# Altium PCB Thunderscope-E.PCBDOC (part 2 of 4) (continued)
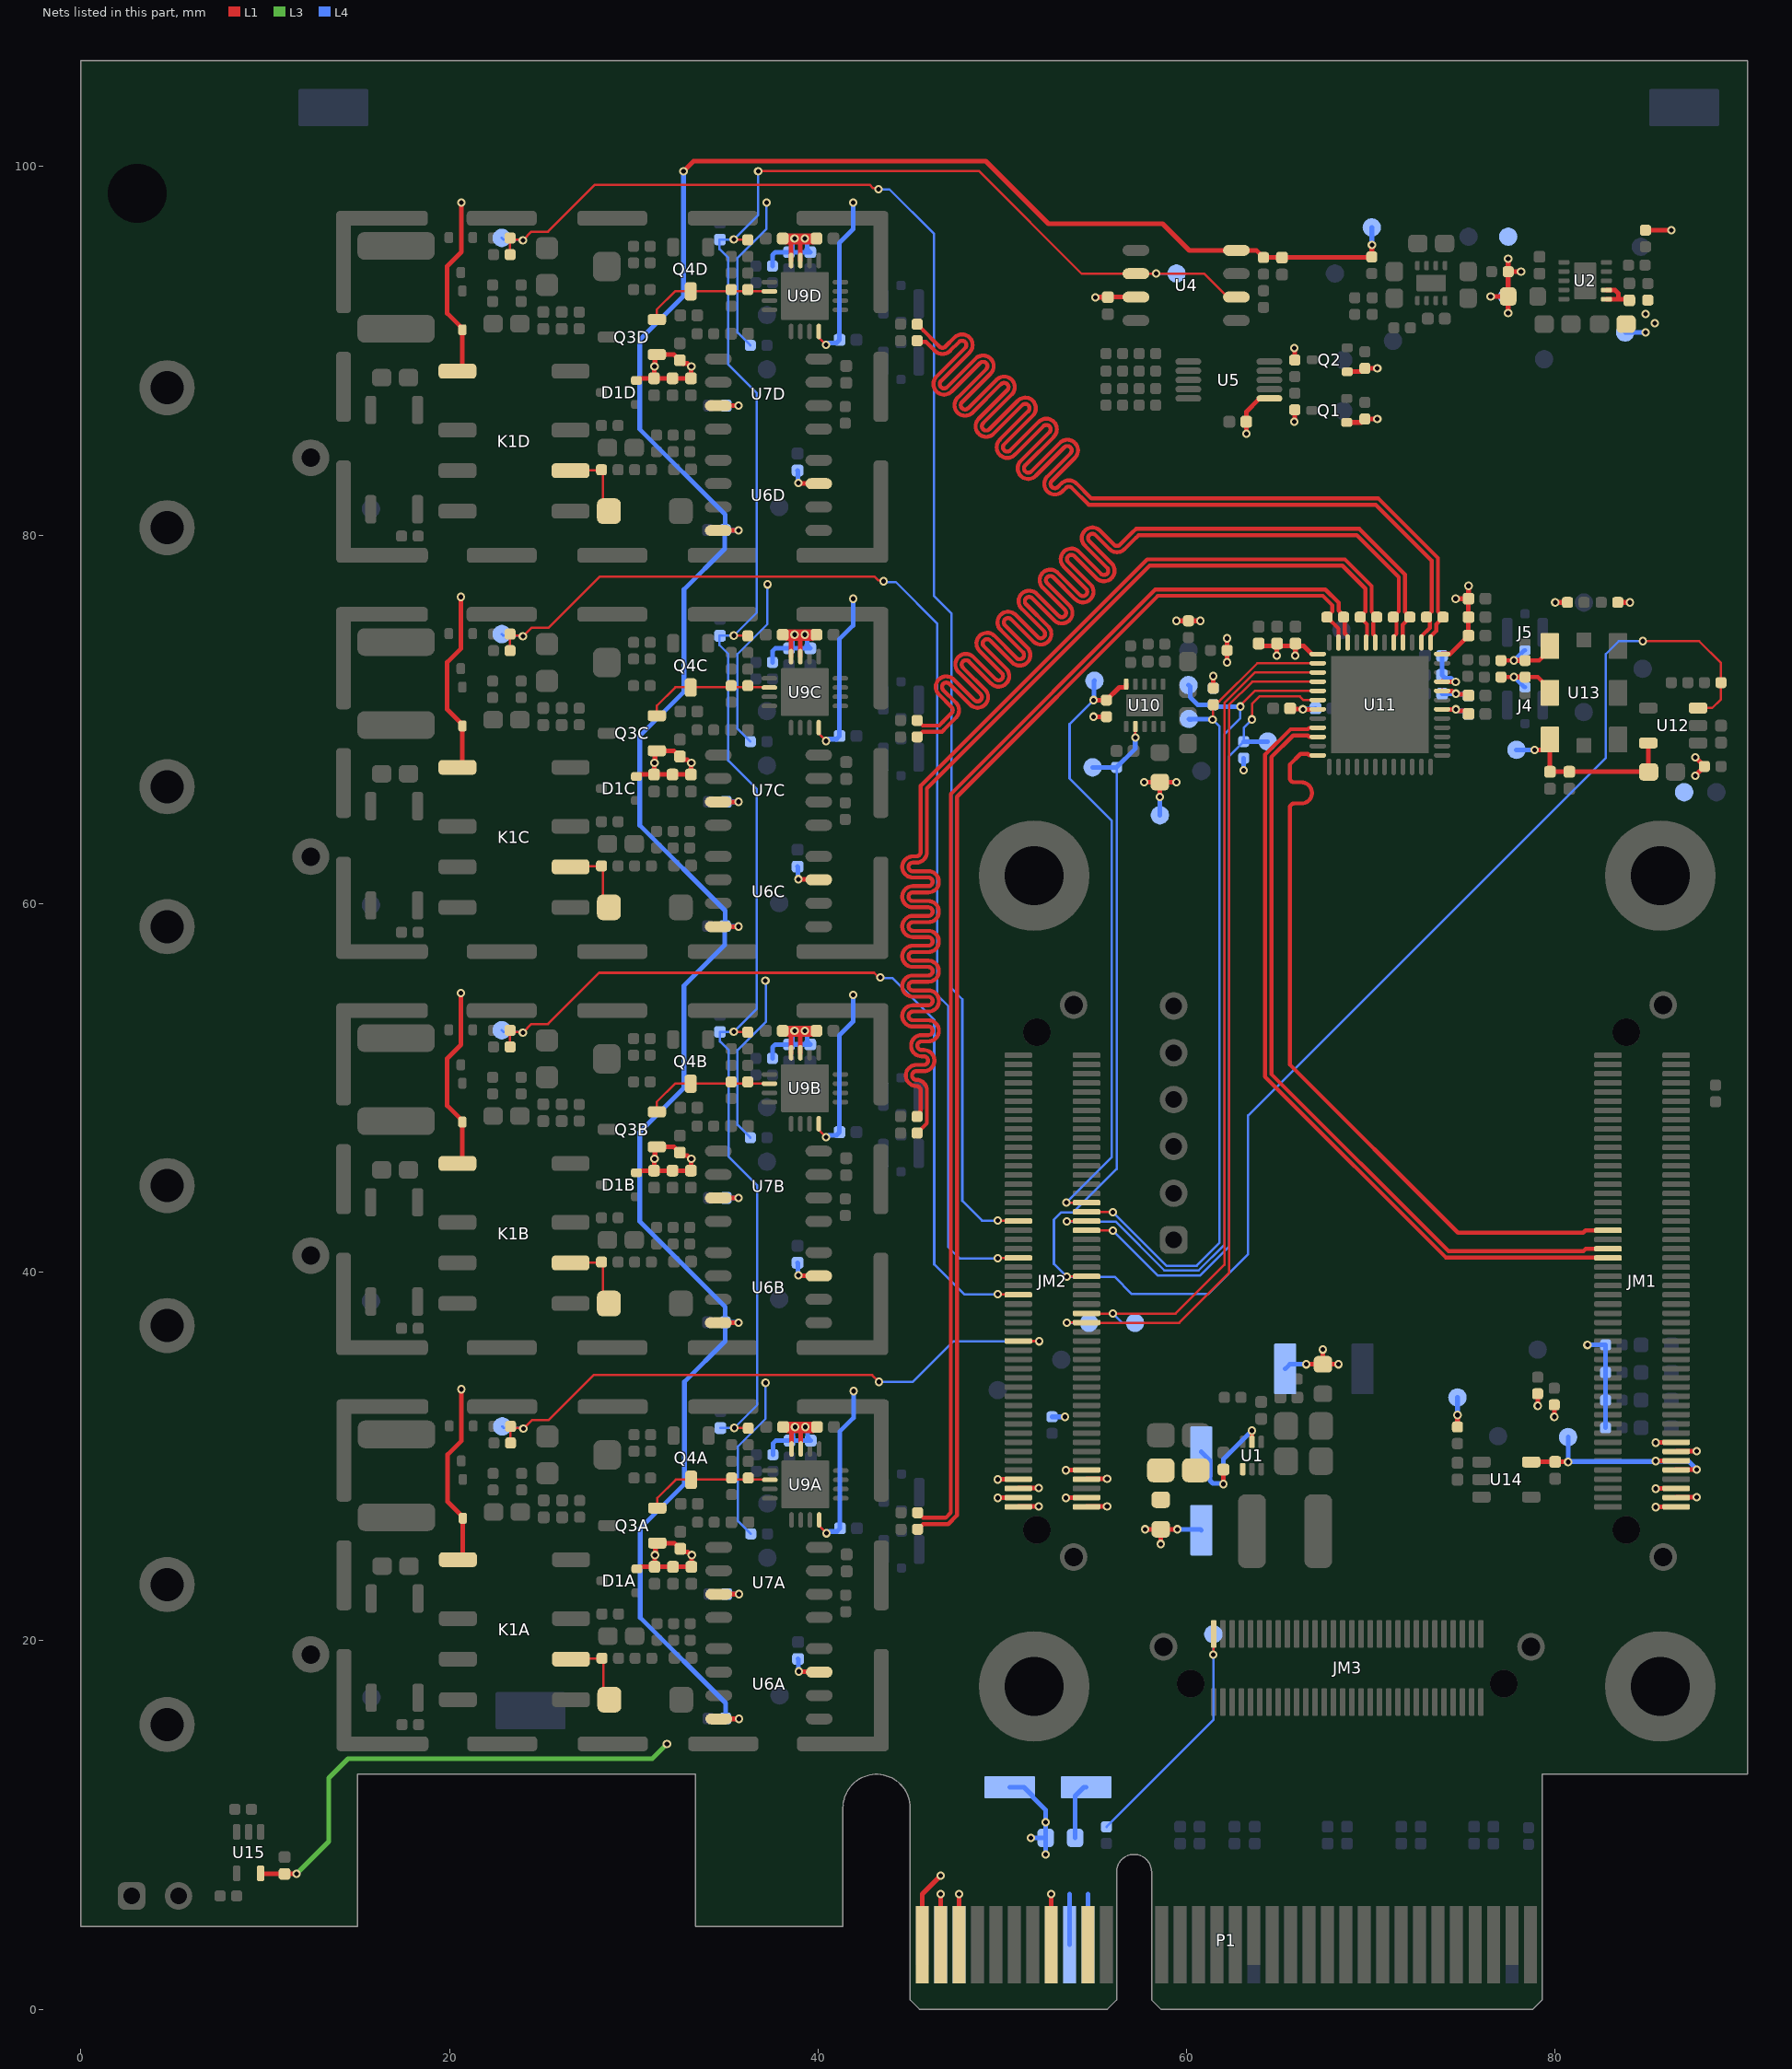
[diagram p4: the nets of this part, all layers, seen from the top]
## Nets (pads, with @x,y where several pads share a name; then routed paths per layer and width w, separated by ;. In a path a pad name is that pad's centre, name@x,y a point inside that pad or via, vN(x,y) a via of type N, cw(c..) or ccw(c..) an arc to the next point about the centre after c; other vN are vias at no path point) (continued)
  L4 w0.254: P1.A9@53.65,3.5 53.65,6.25 ; R87.1@53.95,9.3 53.95,11.577 54.423,12.05 TP50.1@54.55,12.05 ; P1.A10@54.65,3.5 54.65,6.25
+3V3A: C60.2 C61.2 C62.2 TP36.1 U12.5 U13.6 | length 10.4
  L1 w0.254: v1(78.892,68.35) U13.6@79.6,68.35 ; C62.2@79.708,67.15 C62.2@79.718,67.16 ; U13.6@79.715,68.905 79.718,68.902 C62.2@79.718,67.16 ; C60.2@84.995,67.15 85.063,67.217 85.063,68.706 U12.5@85.05,68.718 ; C60.2@85.075,67.15 85.065,67.16 C61.2@80.768,67.16 C62.2@79.718,67.16
  L4 w0.254: TP36.1@77.9,68.35 v1@78.9,68.35
+5V: C8.2 C11.2 C16.2 C23A.1 C23B.1 C23C.1 C23D.1 C24A.1 C24B.1 C24C.1 C24D.1 C25A.1 C25B.1 C25C.1 C25D.1 C26A.1 C26B.1 C26C.1 C26D.1 C27A.2 C27B.2 C27C.2 C27D.2 C28A.2 C28B.2 C28C.2 C28D.2 C35A.2 C35B.2 C35C.2 C35D.2 C36A.2 C36B.2 C36C.2 C36D.2 C37A.2 C37B.2 C37C.2 C37D.2 C38A.2 C38B.2 C38C.2 C38D.2 C75.1 C77.1 D1A.3 D1B.3 D1C.3 D1D.3 Q3A.1 Q3B.1 Q3C.1 Q3D.1 R7.2 R26.2 R27.2 R54A.2 R54B.2 R54C.2 R54D.2 TP5.1 U2.1 U2.2 U4.7 U5.1 U6A.7 U6B.7 U6C.7 U6D.7 U7A.7 U7B.7 U7C.7 U7D.7 U9A.3 U9A.4 U9B.3 U9B.4 U9C.3 U9C.4 U9D.3 U9D.4 U15.5 | length 131.6
  L1 w0.127: U7B.7@34.588,44.027 U7B.7@34.59,44.029 ; U7C.7@34.588,65.526 U7C.7@34.59,65.528 ; U7D.7@34.588,87.026 U7D.7@34.59,87.028 ; U7A.7@34.613,22.526 U7A.7@34.615,22.528 ; v1@35.686,44.029 v1(35.688,44.031) ; v1(35.688,65.53) v1(35.688,65.53) ; v1@35.686,87.028 v1(35.688,87.03) ; v1@35.711,22.528 v1(35.713,22.53)
  L1 w0.254: U15.5@9.75,7.375 9.767,7.358 11.033,7.358 C77.1@11.045,7.345 ; C77.1@11.05,7.34 C77.1@11.045,7.345 ; v1(11.7,7.35) 11.695,7.345 C77.1@11.045,7.345 ; D1B.3@30.15,45.401 30.215,45.401 30.325,45.511 C25B.1@31.1,45.511 ; D1C.3@30.15,66.9 30.215,66.9 30.325,67.01 C25C.1@31.1,67.01 ; D1D.3@30.15,88.4 30.215,88.4 30.325,88.51 C25D.1@31.1,88.51 ; D1A.3@30.175,23.9 30.24,23.9 30.35,24.01 C25A.1@31.125,24.01 ; C26B.1@32.5,46.491 C26B.1@32.482,46.491 ; C26C.1@32.5,67.99 C26C.1@32.482,67.99 ; C26D.1@32.5,89.49 C26D.1@32.482,89.49 ; C26A.1@32.525,24.99 C26A.1@32.507,24.99 ; U7B.7@34.59,44.029 v1@35.686,44.029 ; U7C.7@34.59,65.528 v1(35.688,65.53) ; U7D.7@34.59,87.028 v1@35.686,87.028 ; U7A.7@34.615,22.528 v1@35.711,22.528 ; U9B.4@38.538,51.906 38.538,52.861 38.497,52.901 ; U9C.4@38.538,73.405 38.538,74.359 38.497,74.4 ; U9D.4@38.538,94.905 38.538,95.859 38.497,95.9 ; U9A.4@38.563,30.405 38.563,31.359 38.522,31.4 ; v1(38.938,39.831) 38.955,39.814 40.021,39.814 U6B.7@40.038,39.797 ; v1(38.938,61.33) 38.955,61.313 40.021,61.313 U6C.7@40.038,61.296 ; v1(38.938,82.83) 38.955,82.813 40.021,82.813 U6D.7@40.038,82.796 ; v1(38.963,18.33) 38.98,18.313 40.046,18.313 U6A.7@40.063,18.296 ; U9B.3@39.038,51.906 39.038,52.901 ; U9C.3@39.038,73.405 39.038,74.4 ; U9D.3@39.038,94.905 39.038,95.9 ; U9A.3@39.063,30.405 39.063,31.4 ; v1(55.05,92.9) 55.065,92.915 C75.1@55.725,92.915 55.727,92.918 57.248,92.918 U4.7@57.25,92.92 ; v1(63.25,85.5) 63.242,85.508 63.242,86.147 C16.2@63.235,86.155 63.252,86.172 63.252,86.707 63.934,87.389 64.459,87.389 U5.1@64.49,87.42 ; v1(65.85,86.15) 65.862,86.162 65.862,86.793 R26.2@65.875,86.805 ; v1(65.85,90.15) 65.862,90.138 65.862,89.517 R27.2@65.875,89.505 ; U2.1@82.775,92.805 U2.1@82.775,92.805 83.967,92.803 C8.2@84.025,92.745 ; U2.2@82.775,93.305 U2.2@82.775,93.305 83.247,93.303 83.426,93.124 83.426,92.873 ; C25B.1@31.1,45.511 C28B.2@32.1,45.511 C27B.2@33.1,45.511 33.113,45.524 33.113,46.139 v1(33.125,46.151) 33.07,46.151 32.903,46.319 32.655,46.319 C26B.1@32.482,46.491 ; C25B.1@31.1,45.511 31.113,45.524 31.113,46.139 v1(31.125,46.151) 31.151,46.177 31.151,46.702 Q3B.1@31.25,46.801 32.172,46.801 C26B.1@32.482,46.491 ; C25C.1@31.1,67.01 C28C.2@32.1,67.01 C27C.2@33.1,67.01 33.113,67.023 33.113,67.637 v1(33.125,67.65) 33.07,67.65 32.903,67.817 32.655,67.817 C26C.1@32.482,67.99 ; C25C.1@31.1,67.01 31.113,67.023 31.113,67.637 v1(31.125,67.65) 31.151,67.676 31.151,68.201 Q3C.1@31.25,68.3 32.172,68.3 C26C.1@32.482,67.99 ; C25D.1@31.1,88.51 31.113,88.523 31.113,89.137 v1(31.125,89.15) 31.151,89.176 31.151,89.701 Q3D.1@31.25,89.8 32.172,89.8 C26D.1@32.482,89.49 ; C25D.1@31.1,88.51 C28D.2@32.1,88.51 C27D.2@33.1,88.51 33.113,88.523 33.113,89.137 v1(33.125,89.15) 33.07,89.15 32.903,89.317 32.655,89.317 C26D.1@32.482,89.49 ; C25A.1@31.125,24.01 31.137,24.023 31.137,24.637 v1(31.15,24.65) 31.176,24.676 31.176,25.201 Q3A.1@31.275,25.3 32.197,25.3 C26A.1@32.507,24.99 ; C25A.1@31.125,24.01 C28A.2@32.125,24.01 C27A.2@33.125,24.01 33.137,24.023 33.137,24.637 v1(33.15,24.65) 33.095,24.65 32.928,24.817 32.68,24.817 C26A.1@32.507,24.99 ; C35B.2@38.103,53.101 C35B.2@38.085,53.101 38.235,53.251 39.765,53.251 C36B.2@39.915,53.101 C36B.2@39.897,53.101 ; C35B.2@38.103,53.101 v1(38.723,53.101) 38.999,53.101 ; C35B.2@38.103,53.101 38.303,52.901 38.497,52.901 ; C35C.2@38.103,74.6 C35C.2@38.085,74.6 38.235,74.75 39.765,74.75 C36C.2@39.915,74.6 C36C.2@39.897,74.6 ; C35C.2@38.103,74.6 v1(38.723,74.6) 38.999,74.6 ; C35C.2@38.103,74.6 38.303,74.4 38.497,74.4 ; C35D.2@38.103,96.1 v1(38.723,96.1) 38.999,96.1 ; C35D.2@38.103,96.1 C35D.2@38.085,96.1 38.235,96.25 39.765,96.25 C36D.2@39.915,96.1 C36D.2@39.897,96.1 ; C35D.2@38.103,96.1 38.303,95.9 38.497,95.9 ; C35A.2@38.128,31.6 v1(38.748,31.6) 39.024,31.6 ; C35A.2@38.128,31.6 38.328,31.4 38.522,31.4 ; C35A.2@38.128,31.6 C35A.2@38.11,31.6 38.26,31.75 39.79,31.75 C36A.2@39.94,31.6 C36A.2@39.922,31.6 ; 38.497,52.901 39.038,52.901 ; 38.497,74.4 39.038,74.4 ; 38.497,95.9 39.038,95.9 ; 38.522,31.4 39.063,31.4 ; 38.999,53.101 39.038,53.063 39.038,52.901 ; 38.999,53.101 v1(39.275,53.101) C36B.2@39.897,53.101 ; 38.999,74.6 39.038,74.561 39.038,74.4 ; 38.999,74.6 v1(39.275,74.6) C36C.2@39.897,74.6 ; 38.999,96.1 v1(39.275,96.1) C36D.2@39.897,96.1 ; 38.999,96.1 39.038,96.061 39.038,95.9 ; 39.024,31.6 v1(39.3,31.6) C36A.2@39.922,31.6 ; 39.024,31.6 39.063,31.561 39.063,31.4 ; 39.038,52.901 39.697,52.901 C36B.2@39.897,53.101 ; 39.038,74.4 39.697,74.4 C36C.2@39.897,74.6 ; 39.038,95.9 39.697,95.9 C36D.2@39.897,96.1 ; 39.063,31.4 39.722,31.4 C36A.2@39.922,31.6
  L3 w0.254: v1(11.7,7.35) 13.45,9.1 13.45,12.55 14.5,13.6 31,13.6 v1(31.8,14.4)
  L4 w0.254: C23B.1@34.998,44.031 v1(35.688,44.031) ; C23C.1@34.998,65.53 v1(35.688,65.53) ; C23D.1@34.998,87.03 v1(35.688,87.03) ; C23A.1@35.023,22.53 v1(35.713,22.53) ; R54B.2@37.525,51.601 37.525,52.207 37.674,52.356 38.42,52.356 C37B.2@38.425,52.361 ; R54C.2@37.525,73.1 37.525,73.706 37.674,73.855 38.42,73.855 C37C.2@38.425,73.86 ; R54D.2@37.525,94.6 37.525,95.206 37.674,95.355 38.42,95.355 C37D.2@38.425,95.36 ; R54A.2@37.55,30.1 37.55,30.706 37.699,30.855 38.445,30.855 C37A.2@38.45,30.86 ; C24B.1@38.888,40.511 38.913,40.486 38.913,39.856 v1(38.938,39.831) ; C24C.1@38.888,62.01 38.913,61.985 38.913,61.355 v1(38.938,61.33) ; C24D.1@38.888,83.51 38.913,83.485 38.913,82.855 v1(38.938,82.83) ; C24A.1@38.913,19.01 38.938,18.985 38.938,18.355 v1(38.963,18.33) ; TP5.1@83.8,91 v1(84.9,91) ; C37B.2@38.425,52.361 38.598,52.534 38.598,52.921 38.723,53.046 v1(38.723,53.101) v1(39.275,53.101) 39.275,53.046 39.402,52.919 39.402,52.534 C38B.2@39.575,52.361 C37B.2@38.425,52.361 ; C37C.2@38.425,73.86 38.598,74.033 38.598,74.419 38.723,74.545 v1(38.723,74.6) v1(39.275,74.6) 39.275,74.545 39.402,74.418 39.402,74.033 C38C.2@39.575,73.86 C37C.2@38.425,73.86 ; C37D.2@38.425,95.36 38.598,95.533 38.598,95.919 38.723,96.045 v1(38.723,96.1) v1(39.275,96.1) 39.275,96.045 39.402,95.918 39.402,95.533 C38D.2@39.575,95.36 C37D.2@38.425,95.36 ; C37A.2@38.45,30.86 38.623,31.033 38.623,31.419 38.748,31.545 v1(38.748,31.6) v1(39.3,31.6) 39.3,31.545 39.427,31.418 39.427,31.033 C38A.2@39.6,30.86 C37A.2@38.45,30.86
  other v1: 85.4,91.5 84.9,92
+5V5: R1.2 R4.1 R5.1 R66.1 TP2.1 TP8.1 TP9.1 TP37.1 | length 9.8
  L1 w0.254: v1(66.5,35) R1.2@67.4,35 ; v1(67.4,35.8) R1.2@67.4,35 ; v1(68.25,35) R1.2@67.4,35 ; v1(76.5,92.95) R4.1@77.45,92.95 ; v1(77.45,92.05) R4.1@77.45,92.95 ; v1(77.45,95) R5.1@77.45,94.3 ; v1(78.15,94.3) R5.1@77.45,94.3 ; v1(87.6,66.95) R66.1@88.1,67.45 v1(87.614,67.936) ; R4.1@77.45,92.95 R5.1@77.45,94.3
  L4 w0.254: TP2.1@65.35,34.75 65.6,35 v1(66.5,35)
+12V: C3.2 C4.2 C5.1 R86.2 TP48.1 U1.1 U1.5 | length 7.5
  L1 w0.254: v1(62,28.5) C5.1@62,29.29 ; U1.5@63.55,30.79 v1(63.55,31.4)
  L4 w0.254: TP48.1@60.8,30.25 61.273,29.777 61.273,28.688 61.422,28.539 61.961,28.539 v1(62,28.5) 62,29.85 v1(63.55,31.4)
+12V_PCIe: P1.A2 P1.A3 P1.B1 P1.B2 P1.B3 R86.1 TP47.1 | length 19
  L1 w0.254: P1.B1@45.65,3.5 45.65,6.25 v1(46.65,7.25) ; P1.B2@46.65,3.5 v1(46.65,6.25) ; P1.B3@47.65,3.5 v1(47.65,6.25) ; v1(57.75,26.05) R86.1@58.6,26.05 ; v1(58.6,25.25) R86.1@58.6,26.05 ; v1(59.5,26.05) R86.1@58.6,26.05
  L4 w0.254: P1.A2@46.65,3.5 v1(46.65,6.25) ; P1.A3@47.65,3.5 v1(47.65,6.25) ; v1(59.5,26.05) 60.75,26.05 TP47.1@60.8,26
-2V5_REF: C22A.1 C22B.1 C22C.1 C22D.1 R41A.1 R41B.1 R41C.1 R41D.1 TP16.1 U4.2 U4.6 | length 108.8
  L1 w0.127: v1(35.425,53.051) 35.435,53.041 36.178,53.041 R41B.1@36.188,53.031 ; v1(35.425,74.55) 35.435,74.54 36.178,74.54 R41C.1@36.188,74.53 ; v1(35.425,96.05) 35.435,96.04 36.178,96.04 R41D.1@36.188,96.03 ; v1(35.45,31.55) 35.46,31.54 36.203,31.54 R41A.1@36.213,31.53 ; v1(36.75,99.75) 48.75,99.75 54.31,94.19 U4.6@57.25,94.19 57.255,94.195 58.345,94.195 v1(58.35,94.2) 60.95,94.2 62.23,92.92 U4.2@62.7,92.92
  L4 w0.127: C22C.1@34.65,74.542 34.65,74.026 35.125,73.551 35.125,67.765 36.675,66.215 36.675,54.301 v1(35.425,53.051) 35.42,53.046 34.68,53.046 C22B.1@34.675,53.041 34.675,52.525 35.15,52.05 35.15,46.264 36.7,44.714 36.7,32.8 v1(35.45,31.55) 35.445,31.545 34.705,31.545 C22A.1@34.7,31.54 ; C22D.1@34.65,96.041 34.65,95.525 35.125,95.05 35.125,89.264 36.675,87.714 36.675,75.8 v1(35.425,74.55) 35.42,74.545 34.68,74.545 C22C.1@34.675,74.54 ; C22D.1@34.675,96.04 34.68,96.045 35.42,96.045 v1(35.425,96.05) 36.75,97.375 v1(36.75,99.75) ; v1(58.35,94.2) TP16.1@59.45,94.2
-5V: C29A.1 C29B.1 C29C.1 C29D.1 C76.2 R6.2 R17.1 TP10.1 U4.4 U6A.4 U6B.4 U6C.4 U6D.4 | length 147.1
  L1 w0.254: v1(32.7,99.75) 33.25,100.3 49.1,100.3 52.5,96.9 58.7,96.9 60.15,95.45 62.69,95.45 U4.4@62.7,95.46 63.78,95.46 R17.1@64.175,95.065 64.193,95.083 65.157,95.083 C76.2@65.175,95.065 65.192,95.083 70.033,95.083 R6.2@70.05,95.1 70.053,95.103 70.053,95.747 v1(70.056,95.749) ; U6B.4@34.588,37.257 v1@35.684,37.257 ; U6C.4@34.588,58.756 v1@35.684,58.756 ; U6D.4@34.588,80.256 v1@35.684,80.256 ; U6A.4@34.613,15.756 v1@35.709,15.756
  L4 w0.254: v1(32.7,99.75) 32.7,92.975 30.325,90.6 30.325,85.75 34.959,81.116 34.959,80.269 35.675,80.269 v1(35.686,80.258) ; C29B.1@34.948,37.281 C29B.1@34.959,37.27 ; C29C.1@34.948,58.78 34.934,58.766 34.934,57.76 32.725,55.551 32.725,50.001 30.325,47.601 30.325,42.751 34.959,38.118 C29B.1@34.959,37.27 ; C29D.1@34.948,80.28 34.934,80.266 34.934,79.259 32.725,77.05 32.725,71.5 30.325,69.1 30.325,64.25 34.959,59.616 34.959,58.769 35.675,58.769 v1(35.686,58.758) ; v1(35.686,37.259) 35.675,37.27 C29B.1@34.959,37.27 ; v1(35.711,15.758) 35.7,15.769 34.984,15.769 34.984,16.616 30.35,21.25 30.35,26.1 32.75,28.5 32.75,34.05 34.959,36.259 C29B.1@34.959,37.27 ; TP10.1@70.05,96.7 70.053,96.697 70.053,95.752 v1(70.056,95.749)
ACQ_EN: JM2.52 R58.2 R67.2 TP34.1 U10.7 U12.3 | length 96.9
  L1 w0.127: v1(53.5,39.75) 53.51,39.76 54.557,39.76 JM2.52@54.567,39.771 ; v1(57.221,69.018) U10.7@57.222,69.618 ; v1(84.75,74.25) 87.807,74.25 89,73.057 R67.2@89,72 89,71.1 88.518,70.618 U12.3@87.75,70.618
  L4 w0.127: R58.2@56.2,67.4 56.2,45.6 53.85,43.25 53.2,43.25 52.8,42.85 52.8,40.45 v1(53.5,39.75) 56.091,39.75 57.03,38.811 61.163,38.811 63.342,40.99 63.342,48.51 82.75,67.918 82.75,73.55 83.45,74.25 v1(84.75,74.25)
  L4 w0.254: TP34.1@54.9,67.4 R58.2@56.2,67.4 57.209,68.409 57.209,69.005 v1(57.221,69.018)
ADC_CLK_N: J4.1 R73.1 R75.2 U13.5 | length 4
  L1 w0.214: R73.1@77.057,72.3 v1(77.757,72.3) ; R75.2@78.368,72.3 79.06,72.3 79.715,71.645 U13.5@79.715,71.445
  L1 w0.254: v1(77.757,72.3) R75.2@78.368,72.3
  L4 w0.214: v1(77.757,72.3) 77.776,72.3 78.326,71.75 J4.1@78.368,71.75
ADC_CLK_P: J5.1 R70.1 R74.2 U13.4 | length 3.9
  L1 w0.214: R70.1@77.057,73.2 v1(77.757,73.2) ; R74.2@78.368,73.2 79.131,73.2 79.715,73.785 U13.4@79.715,73.985
  L1 w0.254: v1(77.757,73.2) R74.2@78.368,73.2
  L4 w0.214: v1(77.757,73.2) 77.776,73.2 78.326,73.75 J5.1@78.368,73.75
ADC_CSn: JM2.66 R60.1 TP28.1 U11.2 | length 46.3
  L1 w0.127: JM2.66@54.567,43.271 54.577,43.26 55.99,43.26 v1(56,43.25) ; v1(61.407,69.993) 61.429,70.014 61.429,70.779 R60.1@61.45,70.8 61.633,70.983 61.774,70.983 63.841,73.05 U11.2@67.118,73.05
  L4 w0.127: v1(56,43.25) 58.9,40.35 60.546,40.35 61.792,41.596 61.792,69.608 v1(61.407,69.993)
  L4 w0.254: TP28.1@60.123,70.024 TP28.1@60.147,70 ; TP28.1@60.25,70 TP28.1@60.147,70 ; v1(61.407,69.993) 61.391,70.009 60.156,70.009 TP28.1@60.147,70
ADC_PD: JM2.62 R62.1 TP30.1 U11.6 | length 44.5
  L1 w0.127: JM2.62@54.567,42.271 54.577,42.26 55.99,42.26 v1(56,42.25) ; v1(63.55,70) 63.55,70.85 63.95,71.25 66.15,71.25 66.35,71.05 U11.6@67.118,71.05
  L4 w0.127: v1(56,42.25) 58.423,39.827 60.742,39.827 62.3,41.385 62.3,68 R62.1@63.1,68.8 63.1,69.55 v1(63.55,70)
  L4 w0.254: R62.1@63.1,68.8 63.2,68.8 TP30.1@64.4,68.8
ADC_PG: JM2.68 R63.1 TP31.1 U10.5 | length 34.2
  L1 w0.127: v1(53.475,43.775) 53.477,43.773 54.565,43.773 JM2.68@54.567,43.771
  L1 w0.254: v1(54.95,71.05) R63.1@55.65,71.05 56.345,71.745 56.72,71.745 56.722,71.747 U10.5@56.722,71.918
  L4 w0.127: v1(53.475,43.775) 55.946,46.246 55.946,64.504 53.65,66.8 53.65,69.75 v1(54.95,71.05)
  L4 w0.254: v1(54.95,71.05) 54.975,71.075 54.975,72.075 TP31.1@55,72.1
ADC_RSTn: JM2.64 R61.1 TP29.1 U11.5 | length 49
  L1 w0.127: v1(53.5,42.75) 53.51,42.76 54.557,42.76 JM2.64@54.567,42.771 ; v1(62.918,70.7) 62.918,70.768 63.7,71.55 U11.5@67.118,71.55
  L4 w0.127: v1(53.5,42.75) 56.141,42.75 58.795,40.096 60.652,40.096 62.046,41.49 62.046,69.196 62.918,70.068 v1(62.918,70.7)
  L4 w0.254: TP29.1@60.106,71.864 60.19,71.78 60.19,71.21 60.6,70.8 R61.1@61.45,70.8 ; R61.1@61.547,70.775 61.621,70.7 v1(62.918,70.7)
ADC_SCLK: JM2.42 TP33.1 U11.4 | length 47.3
  L1 w0.127: v1(53.5,37.25) 53.521,37.271 JM2.42@54.567,37.271 54.588,37.25 59.6,37.25 62.3,39.95 62.3,40.291 62.304,40.295 62.304,70.795 63.559,72.05 U11.4@67.118,72.05
  L4 w0.127: v1(53.5,37.25) TP33.1@54.7,37.25
ADC_SDATA: JM2.44 TP32.1 U11.3 | length 46.5
  L1 w0.127: JM2.44@54.567,37.771 54.588,37.75 v1(56.005,37.75) 59.4,37.75 62.05,40.4 62.05,70.9 63.7,72.55 U11.3@67.118,72.55
  L4 w0.127: v1(56.005,37.75) 56.505,37.25 TP32.1@57.5,37.25
ATTEN_1: JM2.37 R50A.2 R52A.2 TP21A.1 | length 34.2
  L1 w0.127: R52A.2@23.313,30.73 R50A.2@23.313,31.63 23.399,31.544 23.968,31.544 v1(24.007,31.505) 24.474,31.972 25.372,31.972 27.819,34.419 42.931,34.419 v1(43.3,34.05) ; JM2.37@50.867,36.271 50.877,36.26 51.99,36.26 v1(52,36.25)
  L4 w0.127: TP21A.1@22.863,31.63 22.949,31.544 23.968,31.544 v1(24.007,31.505) ; v1(43.3,34.05) 45.15,34.05 47.35,36.25 v1(52,36.25)
ATTEN_2: JM2.47 R50B.2 R52B.2 TP21B.1 | length 45.9
  L1 w0.127: R52B.2@23.288,52.231 R50B.2@23.288,53.131 23.374,53.045 23.943,53.045 v1(23.982,53.006) 24.449,53.473 25.347,53.473 28.121,56.247 ; 28.173,56.247 43.042,56.247 v1@43.288,56.001 ; v1(49.75,38.8) 49.765,38.785 50.852,38.785 JM2.47@50.867,38.771
  L4 w0.127: TP21B.1@22.838,53.131 22.924,53.045 23.943,53.045 v1(23.982,53.006) ; v1@43.427,55.951 44.049,55.951 46.304,53.696 46.304,40.427 47.931,38.8 v1(49.75,38.8)
  other v1: 43.377,56.001
ATTEN_3: JM2.55 R50C.2 R52C.2 TP21C.1 | length 65.9
  L1 w0.127: R52C.2@23.288,73.73 R50C.2@23.288,74.63 23.374,74.544 23.943,74.544 v1(23.982,74.505) 24.449,74.972 25.372,74.972 28.146,77.746 43.07,77.746 43.264,77.552 43.498,77.552 v1(43.55,77.5) ; v1(49.75,40.75) 49.76,40.76 50.857,40.76 JM2.55@50.867,40.771
  L4 w0.127: TP21C.1@22.838,74.63 22.924,74.544 23.943,74.544 v1(23.982,74.505) ; v1(43.55,77.5) v1@43.596,77.454 ; v1@43.6,77.45 44.222,77.45 46.477,75.195 46.477,55.032 47.066,54.443 47.066,41.359 47.675,40.75 v1(49.75,40.75)
ATTEN_4: JM2.63 R50D.2 R52D.2 TP21D.1 | length 84
  L1 w0.127: R52D.2@23.288,95.23 R50D.2@23.288,96.13 23.374,96.044 23.943,96.044 v1(23.982,96.005) 24.449,96.472 25.347,96.472 27.894,99.019 42.795,99.019 42.989,98.825 v1@43.223,98.825 ; v1(49.75,42.8) 49.765,42.785 50.852,42.785 JM2.63@50.867,42.771
  L4 w0.127: TP21D.1@22.838,96.13 22.924,96.044 23.943,96.044 v1(23.982,96.005) ; v1(43.275,98.773) 43.868,98.773 46.296,96.345 46.296,76.694 47.245,75.745 47.245,55.396 47.828,54.813 47.828,43.872 48.9,42.8 v1(49.75,42.8)
ATTEN_OUTA: C31A.1 K1A.6 R30A.1 | length 4.1
  L1 w0.127: K1A.6@26.595,19 26.62,19.025 28.25,19.025 R30A.1@28.275,19.05 28.351,18.974 28.351,17.124 C31A.1@28.675,16.8
ATTEN_OUTB: C31B.1 K1B.6 R30B.1 | length 4.1
  L1 w0.127: K1B.6@26.57,40.501 26.595,40.526 28.225,40.526 R30B.1@28.25,40.551 28.326,40.476 28.326,38.626 C31B.1@28.65,38.301
ATTEN_OUTC: C31C.1 K1C.6 R30C.1 | length 4.1
  L1 w0.127: K1C.6@26.57,62 26.595,62.025 28.225,62.025 R30C.1@28.25,62.05 28.326,61.974 28.326,60.124 C31C.1@28.65,59.8
ATTEN_OUTD: C31D.1 K1D.6 R30D.1 | length 4.1
  L1 w0.127: K1D.6@26.57,83.5 26.595,83.525 28.225,83.525 R30D.1@28.25,83.55 28.326,83.474 28.326,81.624 C31D.1@28.65,81.3
B13_L13_N: JM3.60 R79.2 TP46.1 | length 14
  L1 w0.127: v1(61.45,19.25) 61.459,19.259 61.459,20.363 JM3.60@61.468,20.372
  L4 w0.127: R79.2@55.65,9.9 61.45,15.7 v1(61.45,19.25) TP46.1@61.45,20.35
BUF_OUTA: Q3A.2 Q4A.3 R33A.1 R40A.2 U9A.6 | length 7.2
  L1 w0.127: Q3A.2@31.275,27.2 31.275,27.742 32.281,28.749 33.094,28.749 Q4A.3@33.113,28.73 33.131,28.749 35.231,28.749 R33A.1@35.313,28.83 35.394,28.749 36.131,28.749 R40A.2@36.213,28.83 36.294,28.749 37.369,28.749 U9A.6@37.388,28.73
BUF_OUTB: Q3B.2 Q4B.3 R33B.1 R40B.2 U9B.6 | length 7.2
  L1 w0.127: Q3B.2@31.25,48.701 31.25,49.244 32.256,50.25 33.069,50.25 Q4B.3@33.088,50.231 33.106,50.25 35.206,50.25 R33B.1@35.288,50.331 35.369,50.25 36.106,50.25 R40B.2@36.188,50.331 36.269,50.25 37.344,50.25 U9B.6@37.363,50.231
BUF_OUTC: Q3C.2 Q4C.3 R33C.1 R40C.2 U9C.6 | length 7.2
  L1 w0.127: Q3C.2@31.25,70.2 31.25,70.742 32.256,71.749 33.069,71.749 Q4C.3@33.088,71.73 33.106,71.749 35.206,71.749 R33C.1@35.288,71.83 35.369,71.749 36.106,71.749 R40C.2@36.188,71.83 36.269,71.749 37.344,71.749 U9C.6@37.363,71.73
BUF_OUTD: Q3D.2 Q4D.3 R33D.1 R40D.2 U9D.6 | length 7.2
  L1 w0.127: Q3D.2@31.25,91.7 31.25,92.242 32.256,93.249 33.069,93.249 Q4D.3@33.088,93.23 33.106,93.249 35.206,93.249 R33D.1@35.288,93.33 35.369,93.249 36.106,93.249 R40D.2@36.188,93.33 36.269,93.249 37.344,93.249 U9D.6@37.363,93.23
CH1_N: R29A.2 R64.2 U11.47 | length 68.9
  L1 w0.214: R29A.2@45.4,26.05 45.423,26.05 45.703,26.33 47.061,26.33 47.541,26.809 47.541,65.809 58.441,76.709 67.391,76.709 67.909,76.191 67.909,75.865 67.618,75.573 R64.2@67.618,75.55 68.236,74.932 68.236,74.182 U11.47@68.243,74.175
CH1_P: R28A.2 R64.1 U11.46 | length 69.3
  L1 w0.214: R28A.2@45.4,26.95 45.423,26.95 45.703,26.67 46.92,26.67 47.2,26.95 47.2,65.95 58.3,77.05 67.532,77.05 68.25,76.332 68.25,75.904 68.352,75.803 68.352,75.717 68.577,75.491 68.577,74.676 68.743,74.51 U11.46@68.743,74.175
CH2_N: R29B.2 R65.2 U11.44 | length 69.1
  L1 w0.214: R29B.2@45.375,47.551 45.909,48.085 45.909,48.955 45.909,49.868 ccw(c45.334,49.868) 45.334,50.442 cw(c45.334,50.676) 45.334,50.91 45.739,50.91 ccw(c45.739,51.485) 45.739,52.059 45.622,52.059 cw(c45.622,52.293) 45.622,52.527 45.984,52.527 ccw(c45.984,53.102) 45.984,53.676 45.143,53.676 cw(c45.143,53.91) 45.143,54.144 45.984,54.144 ccw(c45.984,54.718) 45.984,55.293 45.143,55.293 cw(c45.143,55.527) 45.143,55.761 45.984,55.761 ccw(c45.984,56.335) 45.984,56.91 45.143,56.91 cw(c45.143,57.144) 45.143,57.378 45.984,57.378 ccw(c45.984,57.952) 45.984,58.527 45.143,58.527 cw(c45.143,58.761) 45.143,58.995 45.984,58.995 ccw(c45.984,59.569) 45.984,60.144 45.143,60.144 cw(c45.143,60.378) 45.143,60.611 45.984,60.611 ccw(c45.984,61.186) 45.984,61.761 45.143,61.761 cw(c45.143,61.994) 45.143,62.228 45.334,62.228 ccw(c45.334,62.803) 45.909,62.803 45.909,63.889 45.909,66.259 58,78.35 68.45,78.35 69.7,77.1 69.7,75.855 69.418,75.573 R65.2@69.418,75.55 ; R65.2@69.418,75.527 69.786,75.158 69.786,74.553 69.743,74.51 U11.44@69.743,74.175
CH2_P: R28B.2 R65.1 U11.43 | length 68.8
  L1 w0.214: R28B.2@45.375,48.451 45.542,48.618 45.542,48.743 45.568,48.77 45.568,48.955 45.568,49.868 ccw(c45.334,49.868) 45.334,50.102 cw(c45.334,50.676) 45.334,51.251 45.739,51.251 ccw(c45.739,51.485) 45.739,51.719 45.622,51.719 cw(c45.622,52.293) 45.622,52.868 45.984,52.868 ccw(c45.984,53.102) 45.984,53.335 45.143,53.335 cw(c45.143,53.91) 45.143,54.485 45.984,54.485 ccw(c45.984,54.718) 45.984,54.952 45.143,54.952 cw(c45.143,55.527) 45.143,56.101 45.984,56.101 ccw(c45.984,56.335) 45.984,56.569 45.143,56.569 cw(c45.143,57.144) 45.143,57.718 45.984,57.718 ccw(c45.984,57.952) 45.984,58.186 45.143,58.186 cw(c45.143,58.761) 45.143,59.335 45.984,59.335 ccw(c45.984,59.569) 45.984,59.803 45.143,59.803 cw(c45.143,60.378) 45.143,60.952 45.984,60.952 ccw(c45.984,61.186) 45.984,61.42 45.143,61.42 cw(c45.143,61.994) 45.143,62.569 45.334,62.569 ccw(c45.334,62.803) 45.568,62.803 45.568,63.889 45.568,66.4 57.859,78.691 68.591,78.691 70.041,77.241 70.041,75.851 70.318,75.573 R65.1@70.318,75.55 ; 70.127,75.232 70.127,74.626 70.243,74.51 U11.43@70.243,74.175
CH3_N: R29C.2 R68.2 U11.41 | length 68.6
  L1 w0.214: R29C.2@45.375,69.05 45.398,69.05 45.678,69.33 46.73,69.33 46.817,69.417 46.811,69.423 47.006,69.619 ccw(c46.886,69.74) 47.007,69.62 47.482,70.095 ccw(c47.077,70.502) 47.482,70.909 46.794,71.597 ; 46.793,71.597 cw(c46.959,71.763) 46.793,71.928 cw(c46.959,71.763) 47.124,71.928 ; 47.125,71.928 48.249,70.803 ccw(c48.656,71.208) 49.062,70.802 ; 49.004,73.96 50.256,72.708 50.256,72.701 cw(c49.8,72.352) 49.392,71.946 48.192,73.146 ccw(c48.026,72.982) 47.861,73.148 ccw(c48.026,72.982) 47.86,72.817 49.113,71.565 49.113,71.558 cw(c48.656,71.208) 49.063,70.803 ; 49.004,73.96 cw(c49.169,74.126) 49.004,74.291 cw(c49.169,74.126) 49.335,74.29 50.536,73.09 ccw(c50.943,73.495) 51.349,73.088 ; 50.479,75.433 51.679,74.233 ccw(c52.086,74.638) 52.543,74.988 52.543,74.995 51.291,76.247 ; 50.479,75.434 ccw(c50.313,75.269) 50.147,75.434 ccw(c50.313,75.269) 50.147,75.104 51.399,73.851 51.399,73.844 cw(c50.943,73.495) 51.35,73.089 ; 51.29,76.247 cw(c51.456,76.412) 51.291,76.577 cw(c51.456,76.412) 51.622,76.577 ; 51.622,76.576 52.822,75.376 ; 52.822,75.376 ccw(c53.23,75.782) 53.686,76.131 53.686,76.138 52.434,77.39 cw(c52.599,77.555) 52.434,77.721 cw(c52.599,77.555) 52.765,77.72 53.966,76.52 ccw(c54.373,76.925) 54.829,77.274 54.829,77.281 53.577,78.533 ; 53.577,78.534 cw(c53.742,78.699) 53.577,78.864 cw(c53.742,78.699) 53.908,78.863 55.109,77.663 ccw(c55.516,78.068) 55.972,78.418 55.972,78.425 54.721,79.676 cw(c54.886,79.842) 54.72,80.007 cw(c54.886,79.842) 55.052,80.007 ; 55.052,80.006 55.816,79.243 ccw(c56.223,79.648) 56.63,79.243 57.255,79.868 57.268,79.868 57.4,80 57.978,80 69.235,80 71.509,77.725 71.509,75.865 71.218,75.573 R68.2@71.218,75.55 71.385,75.383 71.385,74.644 71.243,74.502 U11.41@71.243,74.175
CH3_P: R28C.2 R68.1 U11.40 | length 69.2
  L1 w0.214: R28C.2@45.375,69.95 45.398,69.95 45.678,69.67 46.563,69.67 46.576,69.67 46.765,69.86 cw(c46.886,69.74) 46.766,69.861 47.241,70.336 ; 47.241,70.336 ccw(c47.077,70.502) 47.242,70.667 ; 47.241,70.668 46.552,71.357 cw(c46.959,71.763) 47.365,72.169 48.492,71.042 ccw(c48.656,71.208) 48.822,71.043 ccw(c48.656,71.208) 48.821,71.374 ; 48.821,71.375 47.621,72.575 cw(c48.026,72.982) 48.375,73.438 48.382,73.438 49.634,72.187 ccw(c49.8,72.352) 49.965,72.186 ccw(c49.8,72.352) 49.964,72.518 48.764,73.718 cw(c49.169,74.126) 49.519,74.582 49.526,74.582 50.777,73.33 ; 50.778,73.33 ccw(c50.943,73.495) 51.108,73.33 ccw(c50.943,73.495) 51.108,73.661 ; 51.107,73.662 49.907,74.861 cw(c50.313,75.269) 50.662,75.725 50.669,75.725 51.921,74.473 ccw(c52.086,74.638) 52.252,74.473 ccw(c52.086,74.638) 52.251,74.804 ; 52.192,77.961 ccw(c52.599,77.555) 52.194,77.148 53.394,75.948 ; 52.193,77.962 cw(c52.599,77.555) 52.949,78.012 52.956,78.012 54.207,76.76 ccw(c54.373,76.925) 54.538,76.76 ccw(c54.373,76.925) 54.538,77.091 53.337,78.291 cw(c53.742,78.699) 54.092,79.155 54.099,79.155 55.351,77.903 ; 52.251,74.805 51.051,76.005 cw(c51.456,76.412) 51.805,76.868 51.812,76.868 53.064,75.616 ; 53.064,75.616 ccw(c53.23,75.782) 53.395,75.616 ccw(c53.23,75.782) 53.394,75.948 ; 54.479,80.248 ccw(c54.886,79.842) 54.481,79.435 55.681,78.235 cw(c55.516,78.068) 55.682,77.903 cw(c55.516,78.068) 55.351,77.903 ; 54.48,80.249 cw(c54.886,79.842) 55.235,80.298 55.242,80.298 56.057,79.484 ; 56.057,79.483 ccw(c56.223,79.648) 56.389,79.483 ; 56.389,79.484 57.114,80.208 57.126,80.208 57.259,80.341 57.637,80.341 69.376,80.341 71.85,77.866 71.85,75.841 72.118,75.573 72.118,75.527 71.725,75.134 71.725,74.543 71.736,74.533 71.736,74.182 U11.40@71.743,74.175
CH4_N: R29D.2 R69.2 U11.38 | length 68.3
  L1 w0.214: R29D.2@45.375,90.55 45.435,90.49 45.853,90.49 46.151,90.192 46.297,90.046 46.346,89.997 ccw(c46.753,90.402) 47.16,89.997 47.648,90.484 cw(c47.814,90.32) 47.979,90.486 ; 47.243,87.793 cw(c46.836,88.198) 46.43,87.792 cw(c46.836,88.198) 46.43,88.605 47.979,90.154 47.98,90.155 ccw(c47.814,90.32) 47.98,90.484 ; 47.243,87.793 48.791,89.341 ; 48.792,89.341 cw(c48.957,89.176) 49.122,89.343 ; 49.123,89.341 cw(c48.957,89.176) 49.123,89.012 49.122,89.011 47.573,87.462 ccw(c47.979,87.055) 47.573,86.649 ccw(c47.979,87.055) 48.386,86.65 49.934,88.198 ; 49.935,88.198 cw(c50.101,88.033) 50.265,88.199 ; 50.267,88.198 cw(c50.101,88.033) 50.266,87.868 50.265,87.867 48.717,86.318 ccw(c49.123,85.912) 48.716,85.506 ccw(c49.123,85.912) 49.53,85.506 51.078,87.054 cw(c51.244,86.89) 51.409,87.056 ; 51.41,87.055 cw(c51.244,86.89) 51.41,86.725 51.409,86.724 49.86,85.175 ccw(c50.266,84.769) 49.86,84.362 ccw(c50.266,84.769) 50.673,84.363 52.221,85.911 cw(c52.387,85.747) 52.552,85.913 ; 51.816,83.22 cw(c51.409,83.625) 51.003,83.219 cw(c51.409,83.625) 51.003,84.032 52.552,85.581 ; 51.816,83.22 53.364,84.768 ; 52.552,85.581 52.553,85.582 ccw(c52.387,85.747) 52.553,85.911 ; 53.365,84.768 cw(c53.53,84.603) 53.695,84.769 ; 53.447,82.564 53.259,82.376 cw(c52.852,82.781) 52.446,82.375 cw(c52.852,82.781) 52.446,83.188 53.695,84.437 53.696,84.438 ccw(c53.53,84.603) 53.697,84.768 ; 53.448,82.565 cw(c53.613,82.399) 53.779,82.565 ; 53.779,82.564 54.693,81.65 55.081,81.65 70.268,81.65 73.3,78.618 73.3,75.855 73.018,75.573 73.018,75.527 73.2,75.345 73.2,74.967 72.743,74.51 U11.38@72.743,74.175
CH4_P: R28D.2 R69.1 U11.37 | length 69.1
  L1 w0.214: R28D.2@45.375,91.45 45.748,91.077 46.392,90.433 46.538,90.287 46.587,90.238 ; 46.587,90.238 ccw(c46.753,90.402) 46.919,90.238 ; 46.67,88.033 cw(c46.836,88.198) 46.671,88.364 ; 46.671,88.033 ccw(c46.836,88.198) 47.001,88.033 47.002,88.034 ; 46.671,88.365 48.219,89.913 ; 46.919,90.238 47.407,90.726 cw(c47.814,90.32) 48.22,90.726 cw(c47.814,90.32) 48.22,89.913 ; 47.002,88.034 48.551,89.582 cw(c48.957,89.176) 49.364,89.583 cw(c48.957,89.176) 49.363,88.77 ; 47.814,86.889 ccw(c47.979,87.055) 48.144,86.889 48.145,86.89 49.694,88.439 cw(c50.101,88.033) 50.507,88.439 cw(c50.101,88.033) 50.506,87.626 48.958,86.078 ; 47.814,86.89 cw(c47.979,87.055) 47.814,87.221 ; 47.815,87.221 49.363,88.769 ; 48.958,86.078 ccw(c49.123,85.912) 48.957,85.747 ccw(c49.123,85.912) 49.287,85.746 49.288,85.747 ; 49.289,85.747 50.837,87.296 cw(c51.244,86.89) 51.65,87.296 cw(c51.244,86.89) 51.649,86.483 50.101,84.935 ccw(c50.266,84.769) 50.1,84.604 ; 50.101,84.603 ccw(c50.266,84.769) 50.431,84.603 50.432,84.604 51.981,86.153 cw(c52.387,85.747) 52.793,86.153 cw(c52.387,85.747) 52.793,85.34 ; 51.243,83.46 cw(c51.409,83.625) 51.244,83.791 ; 51.244,83.46 ccw(c51.409,83.625) 51.574,83.459 51.575,83.46 53.124,85.009 cw(c53.53,84.603) 53.937,85.01 cw(c53.53,84.603) 53.936,84.196 ; 51.245,83.791 52.793,85.339 ; 52.686,82.616 cw(c52.852,82.781) 52.687,82.947 53.936,84.196 ; 52.687,82.616 ccw(c52.852,82.781) 53.017,82.616 ; 53.018,82.617 53.206,82.805 cw(c53.613,82.399) 54.02,82.805 54.834,81.991 55.421,81.991 70.409,81.991 73.641,78.759 73.641,75.851 73.918,75.573 73.918,75.527 73.55,75.159 73.55,74.807 73.255,74.512 73.255,74.187 U11.37@73.243,74.175
D1A_N: JM1.57 U11.10 | length 42.5
  L1 w0.214: U11.10@67.118,69.05 67.111,69.057 66.656,69.057 66.583,69.13 65.78,69.13 64.6,67.95 64.6,50.75 74.209,41.141 81.534,41.141 81.664,41.271 JM1.57@82.867,41.271
D1A_P: JM1.55 U11.9 | length 43.6
  L1 w0.214: U11.9@67.118,69.55 67.111,69.543 66.656,69.543 66.583,69.47 65.639,69.47 64.259,68.091 64.259,50.609 74.068,40.8 82.838,40.8 JM1.55@82.867,40.771
D1B_N: JM1.61 U11.12 | length 40.9
  L1 w0.214: U11.12@67.118,68.05 67.111,68.057 66.656,68.057 66.583,68.13 66.18,68.13 65.6,67.55 65.6,67.098 65.6,66.821 ccw(c65.834,66.821) 65.834,66.587 66.225,66.587 cw(c66.225,66.012) 66.225,65.438 65.834,65.438 ccw(c65.834,65.204) 65.6,65.204 65.6,64.133 65.6,51.268 74.727,42.141 81.519,42.141 81.649,42.271 JM1.61@82.867,42.271